# Altium PCB WX0.012.307PCB-4.2.PcbDoc (part 1 of 2) (continued)
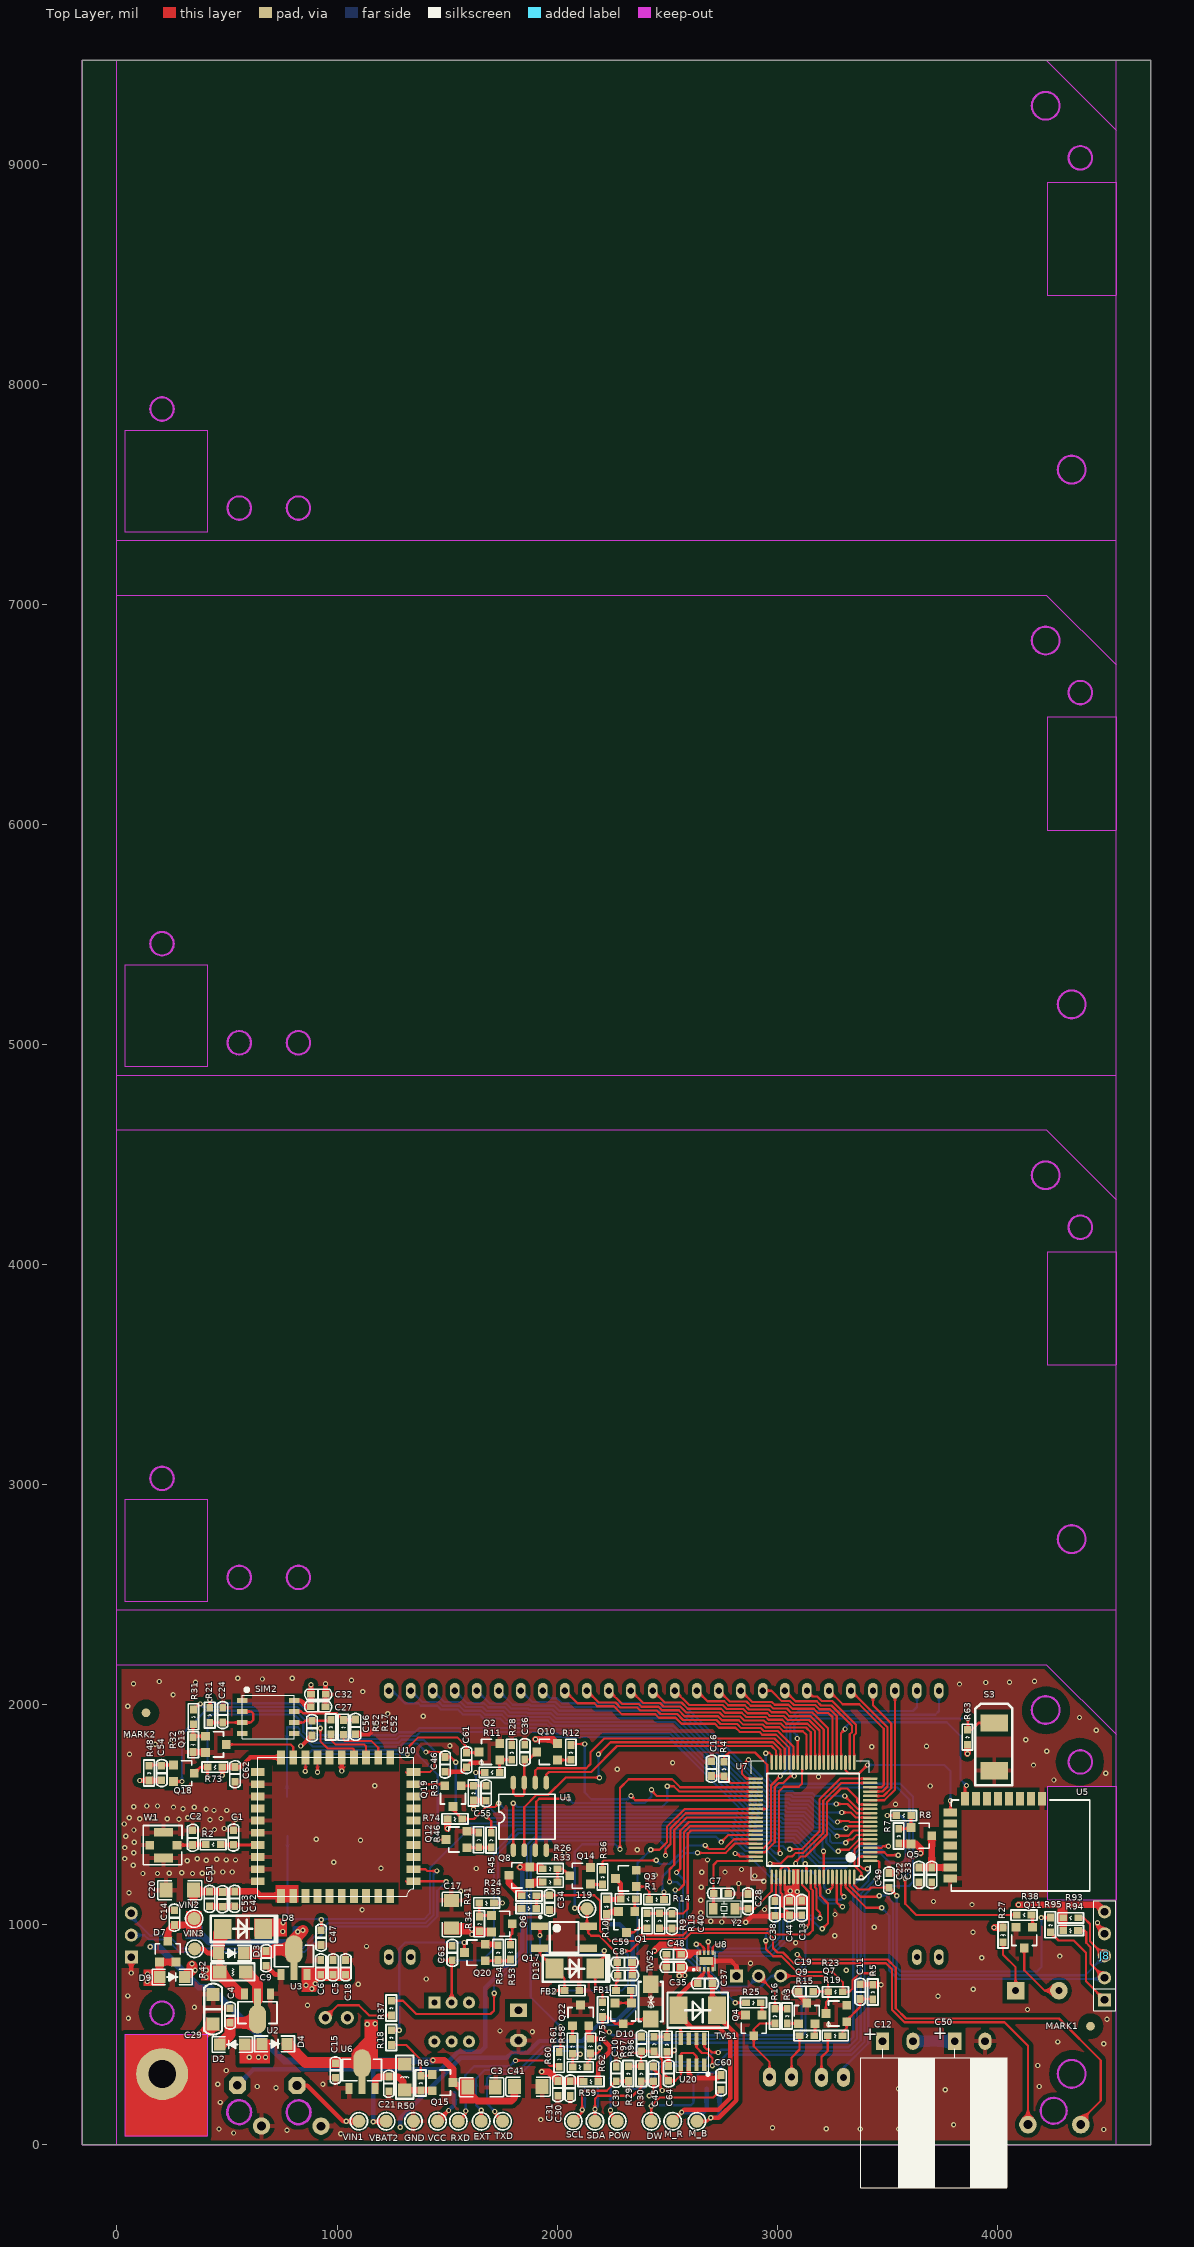
[diagram p0: Top Layer view]
## Components (designator, comment, footprint, x,y, rotation, side; value= is the part's Value field where it differs from the comment) (continued)
POW "TEST-PAD" TEST-PAD 2273.62,106.3 r90 top locked
Q1 "PNPS-9012" SOT-23 2316,1012 r180 top
Q2 "NPNS-9013" SOT-23 1692,1785 r90 top
Q3 "NPNS-9013" SOT-23 2313,1210 r90 top
Q4 "PNPS-9012" SOT-23 2894,542 r180 top
Q5 "UT3401ZG" SOT-23 3656,1404 r270 top
Q6 "PNPS-9012" SOT-23 1749,1004 r270 top
Q7 "NPNS-9013" SOT-23 3269,596 r90 top
Q8 "PNPS-9012" SOT-23 1829,1224 r90 top
Q9 "PNPS-9012" SOT-23 3135,597 r0 top
Q10 "PNPS-9012" SOT-23 1955,1785 r90 top
Q11 "NPNS-9013" SOT-23 4123,940.74 r180 top
Q12 "NPNS-9013" SOT-23 1543,1387 r90 top
Q13 "NPNS-9013" SOT-23 449,1819 r270 top
Q14 "NPNS-9013" SOT-23 2105,1222 r90 top
Q15 "UT3401ZG" SOT-23 1480,282 r270 top
Q17 "EL357N" EL357D 2032,942 r0 top
Q18 "NPNS-9013" SOT-23 304,1688 r270 top
Q19 "NPNS-9013" SOT-23 1527,1584 r180 top
Q20 "NPNS-9013" SOT-23 1626,873 r90 top
Q22 "PNPS-9012" SOT-23 2107,588 r0 top
R1 "10K 5%" RES0603 2290,1117 r0 top
R2 "0R 5%" RES0603 404,1364 r0 top
R3 "3K 5%" RES0603 3046,618 r270 top
R4 "1K 5%" RES0603 2759,1740.63 r270 top
R5 "47K 5%" RES0603 3435,727 r270 top
R6 "2M 5%" RES0603 1381,313 r270 top
R7 "2M 5%" RES0603 3553,1436 r270 top
R8 "200K 5%" RES0603 3542,1496 r0 top
R9 "330K 5%" RES0603 2409,984 r90 top
R10 "10K 5%" RES0603 2225,1115 r270 top
R11 "3K 5%" RES0603 1672,1692 r0 top
R12 "3K 5%" RES0603 2063,1816 r270 top
R13 "220K 5%" RES0603 2466,1051 r270 top
R14 "3K 5%" RES0603 2486,1114 r180 top
R15 "100R 5%" RES0603 3169,495 r180 top
R16 "20K 5%" RES0603 2990,618 r270 top
R17 "22R 5%" RES0603 1029,1930 r270 top
R18 "200K 5%" RES0603 1247,520 r270 top
R19 "20K 5%" RES0603 3297,495 r180 top
R21 "22R 5%" RES0603 422,1985 r270 top
R23 "20K 5%" RES0603 3232,695 r0 top
R24 "330K 5%" RES0603 1840,1131 r0 top
R25 "10K 5%" RES0603 2926,645 r180 top
R26 "10K 5%" RES0603 2002,1254 r180 top
R27 "51R 5%" RES0603 4027,920 r90 top
R28 "1K 5%" RES0603 1794,1816 r270 top
R29 "5.1K 5%" RES0603 2324,356.74 r270 top
R30 "5.1K 5%" RES0603 2383,355.74 r270 top
R31 "3K 5%" RES0603 348,1978 r270 top
R32 "1K 5%" RES0603 346,1784 r90 top
R33 "10K 5%" RES0603 2002,1193 r180 top
R34 "20K 5%" RES0603 1647,1037 r270 top
R35 "220K 5%" RES0603 1905,1073 r180 top
R36 "3K 5%" RES0603 2207,1249 r270 top
R37 "1K 5%" RES0603 1247,654 r270 top
R38 "3K 5%" RES0603 4089,1044 r0 top
R41 "3K 5%" RES0603 1713,1098 r180 top
R42 "0R 5%" RES1206 585,785 r180 top
R45 "3K 5%" RES0603 1701,1417 r270 top
R46 "1K 5%" RES0603 1644,1419 r270 top
R48 "4.7K 5%" RES0603 146,1722 r270 top
R50 "0R 5%" RES1206 1308,366 r270 top
R51 "4.7K 5%" RES0603 1620,1631 r270 top
R52 "22R 5%" RES0603 972,1931 r270 top
R53 "20K 5%" RES0603 1788,841 r90 top
R54 "47K 5%" RES0603 1732,906 r270 top
R58 "1K 5%" RES0603 2152,414 r90 top
R59 "10K 1%" RES0603 2187,287 r180 top
R60 "1K 5%" RES0603 2010,421 r270 top
R61 "10K 1%" RES0603 2070,480 r270 top
R62 "1K 5%" RES0603 2138,353 r180 top
R63 "1M 5%" RES0603 3865,1885 r270 top
R73 "4.7K 5%" RES0603 412,1716 r0 top
R74 "4.7K 5%" RES0603 1569,1480 r180 top
R75 "3K 5%" RES0603 2207,580 r90 top
R93 "10K 1%" RES0603 4301,1031 r0 top
R94 "10K 1%" RES0603 4367,973 r180 top
R95 "100R 5%" RES0603 4242,1032 r270 top
R96 "10K 5%" RES0603 2499,489 r270 top
R97 "10K 5%" RES0603 2441,490 r270 top
RXD "TEST-PAD" TEST-PAD 1551.18,106.3 r90 top
S1 "SWT_4_600_600_430" SW-KEY 688,1245 r90 bottom locked
S2 "SWT_4_600_600_430" SW-KEY 686,1739 r90 bottom locked
S3 "SWS_2_520_300_300" SWS_2_520_300 3987,1916 r90 top
SCL "TEST-PAD" TEST-PAD 2073.82,106.3 r90 top locked
SDA "TEST-PAD" TEST-PAD 2172.24,106.3 r90 top locked
SIM2 "SIM  IC" SIMIC 806,1845 r90 top
TVS1 "SMBJ6.0CA" DO-214AA 2547,611 r0 top
TVS2 "SMAJ5.0CA" SMAJ5.0CA 2425,650 r90 top
TXD "TEST-PAD" TEST-PAD 1752.95,106.3 r90 top locked
U1 "GD25VQ80CSIG" SOP-8L-200MIL 1801,1338 r90 top
U2 "CE6232A50P" SOT-89 639,649 r180 top
U3 "CE6232A33P" SOT-89 804,808 r0 top
U5 "DB809" DB809 3853.89,1572 r270 top
U6 "CE6232A33P" SOT-89 1114,290 r0 top
U7 "FM33LG0x8" LQFP80 3163,1476.63 r180 top locked
U8 "DRV8837DSGR" S-PWSON-N8 2677.98,835.23 r90 top
U10 "1816封装兼容" N700-FIXTURE_DL_CFT_CQA 1348.43,1130 r90 top locked
U20 "HP303B" LGA_8 2543,330 r90 top
VBAT2 "TEST-PAD" TEST-PAD 1223.42,106.3 r180 top locked
VCC "TEST-PAD" TEST-PAD 1457,106.3 r90 top
VIN1 "TEST-PAD" TEST-PAD 1099.41,106.3 r180 top locked
VIN2 "TEST-PAD" TEST-PAD 351,1027 r180 top
VIN3 "TEST-PAD" TEST-PAD 353,890 r180 top
W1 "天线" ANT-IPEX_1 273,1361 r180 top locked
Y2 "XTALSG12MD_32.768kD" SMD-3215_2P 2809,1072.63 r180 top

## Footprints (in the part's own frame and the unit in brackets; to place one, negate y for a bottom-side part, rotate by r counter-clockwise, add the part's x,y. Pads: shape width x height; smd on the part's side, far side on the other; paste and mask are expansions set on the pad)
ANT-IPEX_1 [mm]
  rect 1.05x1 smd: 1(0,0)
  rect 2.2x1 smd: 2(1.55,1.475) 2(1.55,-1.475)
  rect 1x1 smd: 2(3.151,0)
  silkscreen extent -0.56,-2.26 3.9,2.26
"Bar Code1" [mil]
  silkscreen extent 0,0 965,256
BATFOOT [mm]
  oct 2x2 hole 1: 1(2.349,-1.387)
  round 2 hole 1: 2(-2.349,1.387)
  Keep-Out Layer circle w0.254: c-0.745,-1.188 r1.395
  silkscreen extent -3.7,-2.84 3.8,2.96
"C-SUP-4P-H - L" [mm]
  rect 1.524x2 hole 0.9: 1(-1.75,-0.22)
  oval 1.524x2 hole 0.9: 2(1.75,-0.22)
  silkscreen extent -4.25,-17.13 4.31,-1.11, body extent -3.97,-17.15 4.03,0.35, height 8
CAP0603 [mil]
  rect 35x31 smd: 1(-0.49,0) 2(66.51,0)
  silkscreen extent -29,-24 94,23, body extent 1,-15 72,15, height 20
CAP1206 [mil]
  rect 60x60 smd: 1(0,0) 2(134.8,0)
  silkscreen extent -48,-40 184,40, body extent -15,-29 163,29, height 20
CAPPC_500_800_2000R [mm]
  rect 1.524x2 hole 0.9: 1(-1.75,0)
  oval 1.524x2 hole 0.9: 2(1.75,0)
  silkscreen extent -4,-21.78 4,-0.76, body extent -3.97,-21.82 4.03,0.35, height 8
DB809 [mm]
  rect 1.6x0.9 smd: 1(0,8.89) 2(0,7.62) 3(0,6.35) 4(0,5.08) 5(0,3.81) 6(0,2.54) 7(0,1.27) 8(0,0)
  rect 0.9x1.6 smd: 9(1.59,-1.7) 10(2.86,-1.7) 11(4.13,-1.7) 12(5.4,-1.7) 13(6.67,-1.7) 14(7.94,-1.7) 15(9.21,-1.7)
  silkscreen extent 0.15,-1.6 10.65,14.4
DO-214AA [mil]
  rect 80x125 smd: 1(5,0) 2(180,0)
  silkscreen extent -45,-80 230,80, body extent -13,-77 203,77, height 96
DO-214AC [mil]
  rect 80x90.55 smd: 1(-92.5,0) 2(92.5,0)
  silkscreen extent -146,-60 156,60, body extent -91,-53 90,53, height 94
EL357D [mil]
  rect 80x35 smd: 1(-110,50) 2(-110,-50) 3(110,-50) 4(110,50)
  silkscreen extent -113,-70 65,97, body extent -70,-75 70,75, height 79
GRM31CR60J107ME39L [mm]
  rect 1.485x1.728 smd: 1(0,0) 2(3.185,0)
  silkscreen extent -0.97,-1.09 4.16,1.09
HYT-0903 [mil]
  rect 80x80 hole 32: 1(0,0)
  round 80 hole 32: 2(196.85,0)
  silkscreen extent -79,-177 276,177, body extent -78,-176 276,176, height 217
IND0603 [mil]
  rect 35x31 smd: 1(0,0) 2(67,0)
  silkscreen extent -26,-24 92,23, body extent 0,-15 71,15, height 12
IR_254_1000_500 [mil]
  oval 60x86.61 hole 32: 1(50,0) 2(-50,0)
  silkscreen extent -103,-118 118,118
"KFT DIP-5.8X5.8" [mm]
  rect 1.4x1.4 hole 0.7: 1(-2.25,2)
  round 1.4 hole 0.7: 2(-2.25,0) 3(-2.25,-2) 4(2.25,-2) 5(2.25,0) 6(2.25,2)
  silkscreen extent -3.09,-2.93 3.11,3.55
LED3 [mil]
  round 60 hole 32.01: 1(50,0) 2(-50,0)
  silkscreen extent -75,-87 86,87, body extent -61,-79 76,78, height 205
LGA_8 [mm]
  rect 1.8x0.5 smd: 1(1.039,-0.504)
  rect 1.4x0.5 smd: 2(0.839,-1.404) 3(0.839,-2.304) 4(0.839,-3.204) 5(3.839,-3.204) 6(3.839,-2.304) 7(3.839,-1.404) 8(3.839,-0.504)
  silkscreen extent -0.4,-3.78 4.72,0.05
LQFP80 [mm]
  oval 1.7x0.3 smd: 1(-6.6,4.75) 2(-6.6,4.25) 3(-6.6,3.75) 4(-6.6,3.25) 5(-6.6,2.75) 6(-6.6,2.25) 7(-6.6,1.75) 8(-6.6,1.25) 9(-6.6,0.75) 10(-6.6,0.25) 11(-6.6,-0.25) 12(-6.6,-0.75) 13(-6.6,-1.25) 14(-6.6,-1.75) 15(-6.6,-2.25) 16(-6.6,-2.75) 17(-6.6,-3.25) 18(-6.6,-3.75) 19(-6.6,-4.25) 20(-6.6,-4.75) 41(6.6,-4.75) 42(6.6,-4.25) 43(6.6,-3.75) 44(6.6,-3.25) 45(6.6,-2.75) 46(6.6,-2.25) 47(6.6,-1.75) 48(6.6,-1.25) 49(6.6,-0.75) 50(6.6,-0.25) 51(6.6,0.25) 52(6.6,0.75) 53(6.6,1.25) 54(6.6,1.75) 55(6.6,2.25) 56(6.6,2.75) 57(6.6,3.25) 58(6.6,3.75) 59(6.6,4.25) 60(6.6,4.75)
  oval 0.3x1.7 smd: 21(-4.75,-6.6) 22(-4.25,-6.6) 23(-3.75,-6.6) 24(-3.25,-6.6) 25(-2.75,-6.6) 26(-2.25,-6.6) 27(-1.75,-6.6) 28(-1.25,-6.6) 29(-0.75,-6.6) 30(-0.25,-6.6) 31(0.25,-6.6) 32(0.75,-6.6) 33(1.25,-6.6) 34(1.75,-6.6) 35(2.25,-6.6) 36(2.75,-6.6) 37(3.25,-6.6) 38(3.75,-6.6) 39(4.25,-6.6) 40(4.75,-6.6) 61(4.75,6.6) 62(4.25,6.6) 63(3.75,6.6) 64(3.25,6.6) 65(2.75,6.6) 66(2.25,6.6) 67(1.75,6.6) 68(1.25,6.6) 69(0.75,6.6) 70(0.25,6.6) 71(-0.25,6.6) 72(-0.75,6.6) 73(-1.25,6.6) 74(-1.75,6.6) 75(-2.25,6.6) 76(-2.75,6.6) 77(-3.25,6.6) 78(-3.75,6.6) 79(-4.25,6.6) 80(-4.75,6.6)
  silkscreen extent -6.62,-6.81 7.1,6.91, body extent -5.33,-5.33 5.36,5.33, height 2
MARK [mm]
  round 1 smd: 0(0,0)
  round 1 smd far side: 1(0,0)
  Top Layer pour cut-out: -1.5,0 -1.386,-0.574 -1.061,-1.061 -0.574,-1.386 0,-1.5 0,-1.5 0.574,-1.386 1.061,-1.061 1.386,-0.574 1.5,0 1.5,0 1.386,0.574 1.061,1.061 0.574,1.386 0,1.5 0,1.5 -0.574,1.386 -1.061,1.061 -1.386,0.574 -1.5,0
  Bottom Layer pour cut-out: -1.5,0 -1.386,-0.574 -1.061,-1.061 -0.574,-1.386 0,-1.5 0,-1.5 0.574,-1.386 1.061,-1.061 1.386,-0.574 1.5,0 1.5,0 1.386,0.574 1.061,1.061 0.574,1.386 0,1.5 0,1.5 -0.574,1.386 -1.061,1.061 -1.386,0.574 -1.5,0
N700-FIXTURE_DL_CFT_CQA [mm]
  rect 0.9x1.6 smd mask+0.05: 1(1.7,0) 2(3.1,0) 3(4.5,0) 4(5.9,0) 5(7.3,0) 6(8.7,0) 7(10.1,0) 8(11.5,0) 9(12.9,0) 10(14.3,0) 21(14.3,18) 22(12.9,18) 23(11.5,18) 24(10.1,18) 25(8.7,18) 26(7.3,18) 27(5.9,18) 28(4.5,18) 29(3.1,18) 30(1.7,18)
  rect 1.6x0.9 smd mask+0.05: 11(16,2.7) 12(16,4.1) 13(16,5.5) 14(16,6.9) 15(16,8.3) 16(16,9.7) 17(16,11.1) 18(16,12.5) 19(16,13.9) 20(16,15.3) 31(0,15.3) 32(0,13.9) 33(0,12.5) 34(0,11.1) 35(0,9.7) 36(0,8.3) 37(0,6.9) 38(0,5.5) 39(0,4.1) 40(0,2.7)
  silkscreen extent 0,0 16,18
PCBComponent_1 [mm]
  oval 1.1x1.8 hole 0.732: 1(31.75,15.375) 2(29.21,15.375) 3(26.67,15.375) 4(24.13,15.375) 5(21.59,15.375) 6(19.05,15.375) 7(16.51,15.375) 8(13.97,15.375) 9(11.43,15.375) 10(8.89,15.375) 11(6.35,15.375) 12(3.81,15.375) 13(1.27,15.375) 14(-1.27,15.375) 15(-3.81,15.375) 16(-6.35,15.375) 17(-8.89,15.375) 18(-11.43,15.375) 19(-13.97,15.375) 20(-16.51,15.375) 21(-19.05,15.375) 22(-21.59,15.375) 23(-24.13,15.375) 24(-26.67,15.375) 25(-29.21,15.375) 26(-31.75,15.375) 27(-31.75,-15.375) 28(-29.21,-15.375) 29(29.21,-15.375) 30(31.75,-15.375)
  silkscreen extent -36.2,-15.42 36.16,15.4, body extent -36.21,-15.8 36.18,15.83, height 3.3
PIN254_1*3*WXHJ [mm]
  rect 1.5x1.5 hole 0.9: 1(0,0)
  round 1.5 hole 0.9: 2(2.54,0) 3(5.08,0)
  silkscreen extent -1.27,-1.27 6.35,1.27
PIN254_1*5SR [mil]
  rect 60x60 hole 35: 1(0,0)
  round 60 hole 35: 2(100,0) 3(200,0) 4(300,0) 5(400,0)
  silkscreen extent -50,-50 450,50
RES0603 [mil]
  rect 35x31 smd: 1(0,0) 2(67,0)
  silkscreen extent -26,-24 92,23, body extent 0,-15 71,15, height 12
RES1206 [mil]
  rect 60x60 smd: 1(0,0) 2(118.11,0)
  silkscreen extent -39,-39 157,39, body extent -28,-29 150,29, height 20
S-PWSON-N8 [mm]
  rect 0.5x0.28 smd: 1(-0.95,0.75) 2(-0.95,0.25) 3(-0.95,-0.25) 4(-0.95,-0.75) 5(0.95,-0.75) 6(0.95,-0.25) 7(0.95,0.25) 8(0.95,0.75)
  rect 0.9x1.6 smd: 9(0,0)
  silkscreen extent -1.09,-1.05 1.04,1.52, body extent -0.98,-1 1.02,1, height 0.77
SIMIC [mm]
  rect 0.6x1.2 smd: 1(4.405,6) 2(3.135,6) 3(1.865,6) 4(0.595,6) 5(0.595,0) 6(1.865,0) 7(3.135,0) 8(4.405,0)
  silkscreen extent 0,0 5.73,6, body extent 0,0 4.95,5.97, height 0.6
SMAJ5.0CA [mm]
  rect 2x1.8 smd: 1(-2,0) 2(2,0)
  silkscreen extent -2.3,-1.4 2.3,1.4
SMD-3215_2P [mm]
  rect 1x1.3 smd: 1(0,0) 2(2.5,0)
  silkscreen extent -0.69,-0.91 3.19,0.91, body extent -0.3,-0.99 2.9,0.99, height 0.7
SMT-1.5-4 [mm]
  oval 0.8x2.5 smd: 1(-2.25,0) 2(-0.75,0) 3(0.75,0) 4(2.25,0)
  rect 1.5x3 smd: 5(-4.198,-3.95) 6(4.075,-3.95)
  silkscreen extent -5.92,-5.6 5.77,1.62
SMT-1.25-5 [mm]
  oval 0.8x1.8 smd: 1(-2.5,1.6) 2(-1.25,1.6) 3(0,1.6) 4(1.25,1.6) 5(2.5,1.6)
  rect 2.1x3 smd: 6(-5.05,-1.6) 7(5.05,-1.6)
  silkscreen extent -6.42,-3.42 6.4,2.7, body extent -5.07,-3.55 5.08,1.65, height 3.5
SOD-123FL [mm]
  rect 1.3x1.4 smd: 1(0.074,0) 2(2.974,0)
  silkscreen extent -0.78,-0.9 3.82,0.9, body extent -0.28,-0.82 3.32,0.82, height 0.95
SOP-8L-200MIL [mm]
  oval 1.6x0.61 smd: 1(0,0) 2(0,-1.27) 3(0,-2.54) 4(0,-3.81) 5(7.8,-3.81) 6(7.8,-2.54) 7(7.8,-1.27) 8(7.8,0)
  silkscreen extent 1.27,-4.83 6.48,1.68, body extent 0.89,-4.35 6.89,0.55, height 1.7
SOT-23 [mil]
  rect 40x40 smd: 1(-37.4,-47.24) 2(37.4,-47.24) 3(0,47.24)
  silkscreen extent -57,-12 57,35, body extent -57,-55 57,55, height 47
SOT-89 [mm]
  rect 0.8x1.27 smd: 1(-1.5,-0.9) 3(1.5,-0.9)
  oval 2x3.3 smd: 2(0,2)
  rect 0.8x2.54 smd: 2(0,-0.265)
  silkscreen extent -2.25,0 2.25,2.5, body extent -2.25,-1.02 2.25,2.92, height 1.4
SW-KEY [mm]
  rect 2x1.2 smd: 1(-4,2.2) 1(4,2.2) 2(-4,-2.2) 2(4,-2.2)
  silkscreen extent -3,-3 3,3, body extent -4.97,-3.05 5.03,2.95, height 5.1
SWS_2_520_300 [mm]
  rect 2x3.2 smd: 1(0,0) 2(-5.5,0)
  silkscreen extent -7.2,-2.08 2.25,2.2
TEST-PAD [mm]
  round 1.5 smd: 1(0,0)
  silkscreen extent -1,-1 1,1
WXHJ_Connect_01 [mil]
  round 80 hole 40: 1(0,240) 2(0,0)
  Keep-Out Layer circle w10: c62.91,116.99 r59.05
  silkscreen extent -55,-57 64,295

## Part data
119 DW EXT GND M_B M_R POW RXD SCL SDA TXD VBAT2 VCC VIN1 VIN2 VIN3: library part AD_WXHJ_TEST-PAD_01, "单面焊盘测试点"
*: library part "AD_WXHJ_Bar Code_02", "条形码 ,填充，无需焊接器件"
B1: library part 1010602-0007, "直插,直径9mm,高5.5mm,5 V,2 V,30 mA,兴化市华宇电子有限公司,HYT-0903"
BT1 BT2: library part BATTERY_1, "Battery"
C1 C2: library part 101020103-0005
C3 C17 C41: library part 101020101-0005, "100u,16 V,±10%,1206,国巨,CC1206KRNPO7BN106P"
C4 C5 C8 C10 C13 C14 C15 C21 C31 C32 C35 C36 C37 C38 C44 C46 C47 C48 C51 C60 C63 C64: library part 101020103-0021, "104pF,50 V,±10%,0603,国巨,CC0603KRX7R9BB104"
C6 C9 C22 C30: library part 101020103-0026, "106pF,10 V,±10%,0603,村田,GRM188R61A106KE47D"
C7 C28: library part 101020103-0005, "12P,50 V,±5%,0603,国巨,CC0603JRNPO9BN12"
C11 C34 C40 C42: library part 101020103-0014, "10pF,50 V,±5%,0603,X7R,国巨,CC0603JRNPO9BN100"
C12 C50: library part 1010202-0015, "1F,2.75 V,-20%~+20%,8mm*16mm,红宝石,2.7 DMC 1 M MY4 8X16"
C16 C24 C27 C39 C45 C49 C52 C53 C56 C61: library part 101020103-0027, "33pF,50 V,±10%,0603,国巨,CC0603KRNPO9BN33"
C18: library part 101020103-0009, "22pF,50 V,±5%,0603,国巨,CC0603JRNPO9BN22"
C19: library part 101020103-0010, "101pf,50 V,±5%,0603,国巨,CC0603JRNP09BN101"
C20: library part 101020101-0005
C23: library part 1010203-0029, "1000UF,16V,±20%,贴片10*10.2MM,深圳市三炎科电子科技有限公司,16V1000UF"
C29: library part 101020103-0021, "103P/1KV,±10％,1206"
C33 C62: library part 101020103-0003, "105pF,16 V,±10%,0603,国巨,CC0603KRX7R7BB105"
C54 C55: library part 101020103-0022, "102pF,50 V,±10%,0603,国巨,CC0603KRX7R9BB102"
C59: library part 101020103-0007, "10nF,50 V,±10%,0603,X7R,国巨,CC0603KRX7R9BB103"
D1: library part 101040102-0001, "圆形插件,3mm 圆形,插件,红光,湖北匡通电子有限公司,3BB4HC"
D2: library part 101040101-0048, "DS36W,SOD123-FL,3 A,42 V,60 V,浙江领晨科技有限公司,DS36W"
D3: library part 101040101-0048, "DS12W,SOD-123FL,1 A,0.55 V,20 V,领晨科技,DS12W"
D4 D9: library part 101040101-0055, "DS36W,SOD123-FL,3 A,42 V,60 V,浙江领晨科技有限公司,DS36W"
D5: library part 101040101-0034, "直插,Φ5.8mm圆头透明色，,0.1 A,4 V,5 V,上海品观电子有限公司,AT205B"
D6: library part 101040101-0035, "Φ5.8mm圆头黑色，光电接收管,Φ5.8mm,0.01 A,1.2 V,60 V,上海品观电子,AT405-PD-01"
D7 D10: library part 101040101-0038, "BAT54CLT1，SOT23-3,SOT23-3,0.2 A,0.8 V,30 V,安森美,BAT54CLT1"
D8: library part 101040101-0009, "SS12,DO-214AC,1 A,0.55 V,20 V,昶鑫,SS12"
D13: library part 101040101-0008, "M7A,DO-214AC,1 A,1.1 V,1000 V,杭州闽达电子有限公司,M7A"
FB1 FB2: library part 109010101-0003, "chilisin(奇力新),0603,30Ω ±25% @100MHz,150 V,125 ℃,PBY160808T-300Y-N,-55 ℃,不含铅,,,圆盘,30Ω ±25% @100MHz"
J3: library part 1010902-0126, "4针1.5mm间距，贴片卧式,9.0mm*6.5mm,公头,单排,4针1.5mm间距，贴片卧式"
J6: "Header, 4-Pin"
J8: "Header, 5-Pin"
J9 P6: library part AD_WXHJ_PinHeader_04, "1*3 ，Φ1.0 ，2.54mm，直脚,无需焊接器件"
K1: library part 1011001-0037, "7*7无锁按键,点触,7*7*12.5mm,7*7无锁按键,正立"
MARK1 MARK2: library part AD_WXHJ_MARK_01, "MARK点"
P5: library part AD_WXHJ_Connect_01, "电源连接线"
Q1 Q4 Q6 Q8 Q9 Q10 Q22: library part 101040201-0001, "9012,PNP,SOT-23,JCET;长电,S9012"
Q2 Q3 Q7 Q11 Q12 Q13 Q14 Q18 Q19 Q20: library part 101040201-0002, "9013,NPN,SOT-23,长电,S9013"
Q5 Q15: library part 101040201-0013, "UT3401ZG,P-MOS,SOT-23,UTC,UT3401ZG"
Q17: library part 1010502-0045, "SOP4,贴片,ELERLIGHT,EL357N(D)(TA)-G"
R1 R10 R25 R26 R33: library part 101010103-0003, "国巨,±5%,0603,,155 ℃,-55 ℃,RC0603JR-0710KL,无铅,200 ppm/℃,1/10W,,10K"
R2: library part 101010103-0001, "国巨,±5%,0603,,155 ℃,-55 ℃,RC0603J2-070RL,无铅,200 ppm/℃,1/10W,,0R"
R3 R11 R12 R14 R31 R36 R38 R41 R45 R75: library part 101010103-0006, "国巨,±5%,0603,,155 ℃,-55 ℃,RC0603JR-073KL,无铅,100 ppm/℃,1/10W,,3K"
R4 R28 R32 R37 R46 R58 R60 R62: library part 101010103-0008, "1K,±5%,1/10W,0603,国巨,RC0603JR-071KL"
R5 R54: library part 101010103-0012, "47K,±5%,1/10W,0603,国巨,RC0603JR-0747KL"
R6 R7: library part 101010103-0025, "国巨,±5%,0603,,155 ℃,-55 ℃,RC0603JR-072ML,含铅,100 ppm/℃,1/10W,,2M"
R8: library part 101010103-0003, "10K±5%,1/10W,0603"
R9 R24: library part 101010103-0066, "330K,±5%,1/10W,0603,国巨,RC0603JR-07330KL"
R13 R35: library part 101010103-0044, "220K,±5%,1/10W,0603,国巨,RC0603JR-07220KL"
R15 R95: library part 101010103-0022, "100R,±5%,1/10W,0603,国巨,RC0603JR-07100RL"
R16 R19 R23 R34 R53: library part 101010103-0004, "国巨,±5%,0603,,155 ℃,-55 ℃,RC0603JR-0720KL,无铅,200 ppm/℃,1/10W,,20K"
R17 R21 R52: library part 101010103-0009, "国巨,±5%,0603,,155 ℃,-55 ℃,RC0603JR-0722RL,无铅,200 ppm/℃,1/10W,,22欧"
R18: library part 101010103-0034, "200K,±5%,1/10W,0603,国巨,RC0603JR-07200KL"
R27: library part 101010103-0037, "国巨,±5%,0603,,155 ℃,-55 ℃,RC0603JR-0751RL,无铅,100 ppm/℃,1/10W,,51欧"
R29 R30: library part 101010103-0015, "国巨,±5%,0603,,155 ℃,55 ℃,RC0603JR-075.1KL,无铅,200 ppm/℃,1/10W,,5.1k"
R42 R50: library part 101010101-0013, "0Ω,±5%,1/4W,1206,国巨,RC1206JR-070RL"
R48 R51 R73 R74: library part 101010103-0042, "4.7K±5%,1/10W,0603"
R59 R61 R93 R94: library part 101010103-0052, "10K±1%,1/10W,0603"
R63 R96 R97: library part 101010103-0002, "国巨,±5%,0603,,155 ℃,-55 ℃,RC0603JR-071ML,无铅,200 ppm/℃,1/10W,,1M"
S1 S2: library part 1011001-0027, "TS-1102,机械轻触,6*6*4.3直插,6*6*4.3直插,乐清市羽欧电子"
S3: library part 1011001-0041, "CSX-SEN-645B,垂直45°开关转换,3*5.2mm,360°任意方位倾斜检测,深圳市成晟科技有限公司"
SIM2: library part SIMCARD_1
TVS1: library part 101040101-0024, "SMBJ6.0CA,DO-214AA,10.3 V,6.0 V,600 W,58.3 A,800 uA,上海君耀电子有限公司,SMBJ6.0CA"
TVS2: library part SMAJ5.0CA_C693487
U1: library part 101050101-0165, "GD25VQ80CSIG,SOP8 208mil,北京兆易创新科技股份有限公司,GD25VQ80CSIG"
U2: library part 1010503-0013, "S-1206B50-U3,S-1206B50-U3,SOT89-3,6.5 V,1.7 V,0.2 V,5 V,250mA@VIN≧VOUT(S)＋1.0 V﹐1.5 V≦VOUT(S),1 uA,精工电子"
U3 U6: library part 1010503-0002, "S-1206B33-U3T1G,S-1206B33-U3T1G,SOT89-3,6.5 V,1.7 V,0.15 V,3.3 V,250mA@VIN≧VOUT(S)＋1.0 V﹐1.5 V≦VOUT(S),1 uA,精工电子"
U5: library part 1011402-0194, "北高智蓝牙模块DB809"
U8: library part 101050101-0060, "DRV8837DSGR,S-PWSON-N8,TI,DRV8837DSGR"
U10: library part 1011402-0183, "N700-58-01,N700-58-01,通信模块,18.0mm*16.0mm*2.1mm,Band 5:850MHz/Band 8:900MHz,深圳市广和通无线股份有限公司"
W1: library part 1010902-0145, "UB06000058A,3*3.1*1.25mm,公头,单排,IPEX一代板端"
Y2: library part 1010601-0009, "SCX3215(SCX3213089);32.768kHz;精度20%;负载电容12.5pF,3215,32.768kHz,0.03 ppm/℃,无源,Q-SC32S03220C5AAAF,SCX3215"

## Free pads (board coordinates)
  round 236.22 hole 125.98: 0(205.59,320.94)

## Via types
v1: diameter 24, hole 12, Top Layer to Bottom Layer, tented both sides, 336 vias

## Nets (pads, with @x,y where several pads share a name; then routed paths per layer and width w, separated by ;. In a path a pad name is that pad's centre, name@x,y a point inside that pad or via, vN(x,y) a via of type N, cw(c..) or ccw(c..) an arc to the next point about the centre after c; other vN are vias at no path point)
3.6V: C9.1 C14.1 D3.2 D7.3 U3.2 VIN2.1 | length 1087.6
  Top Layer w30: D7.3@231,924.24 231,968.51 C14.1@261,998.51 322.51,998.51 VIN2.1@351,1027
  Top Layer w50: D3.2@576.09,870 699.51,870 716.25,886.74 U3.2@804,886.74 805,887.74 805,934 v1(845,974)
  Bottom Layer w30: v1(332,962) 378,962 421,919 801,919 845,963 v1(845,974)
  other v1: 369,962 821,967
5V: C12.1 C35.1 D3.1 D8.1 R42.2 U2.3 U8.1 VIN3.1 | length 429.5
  Top Layer w20: VIN3.1@353,890 393,890 413,870 D3.1@461.91,870 ; R42.2@466.89,785 466.89,840.11
  Top Layer w50: D3.1@461.91,870 461.91,962.41 D8.1@480.5,981 ; R42.2@466.89,785 466.89,776.11 558.57,684.43
  other v1: 405,761 2555,767 2581,769 406,793
119: 119.1 C8.1 C59.1 FB1.1 Q17.4 U7.43 | length 1922.5
  Top Layer w10: v1(2080,1075) 2133,1075 119.1@2136,1072 2136,998 Q17.4@2142,992 2142,962 2155,949 2191.25,949 2272,868.25 2272,829.51 C59.1@2273.51,828 2275.51,826 C8.1@2275.51,770 2275.51,742.51 2268,735 FB1.1@2268,701 ; v1(2286,1343) 2286,1621 2326,1661 2523,1661 2559.73,1624.27 U7.43@2903.16,1624.27
  Bottom Layer w10: v1(2080,1075) 2080,1331 2114,1365 2264,1365 v1(2286,1343)
BUZZ: R38.1 U7.41 | length 1976.5
  Top Layer w10: v1(2870,1750) 2841,1721 2841,1684 2861.36,1663.64 U7.41@2903.16,1663.64 ; v1(3582,1210) 3582,1095 3633,1044 R38.1@4089,1044
  Bottom Layer w10: v1(2870,1750) 2870,1729.67 2931,1668.67 2931,1667.96 2975.96,1623 3546.26,1623 3601,1568.26 3601,1241 3582,1222 v1(3582,1210)
CLOSE: U7.19 U8.5 | length 1403.2
  Top Layer w10: U8.5@2707.51,872.63 2707.51,896 2717.51,906 v1(2738,906) ; v1(2968,1278) 3016.12,1278 3047.75,1309.63 3067.7,1309.63 3069.07,1311 3070.25,1311 3085.25,1326 3119.33,1326 3210,1416.67 3210,1562.67 3291.28,1643.95 U7.19@3422.84,1643.95
  Bottom Layer w10: v1(2738,906) 2753,891 2843,891 ; 2843,892 2960.25,892 3011,942.75 3011,1198 2968,1241 v1(2968,1278)
COM0: LCD1.1 U7.6 | length 2509.6
  Top Layer w10: v1(3278.31,1333.26) 3285.31,1340.26 3325.38,1340.26 3373.17,1388.05 U7.6@3404,1388.05
  Bottom Layer w10: LCD1.1@1235.54,2063.18 1251.82,2063.18 1309.16,2005.84 1368.84,2005.84 1380.34,1994.34 1456.3,1994.34 1472.64,1978 1548.6,1978 1571.26,1955.34 1647.21,1955.34 1666.08,1936.48 1741.31,1936.48 1764.31,1913.48 1840.99,1913.48 1844.47,1910 1951.08,1910 1974.08,1887 2520.34,1887 2719,1688.34 2719,1687.45 2807.45,1599 2807.63,1599 2919.63,1487 3021,1487 3030,1478 3111.5,1478 3165.24,1424.26 3198.94,1424.26 3223.31,1399.88 3223.31,1373.28 3263.33,1333.26 v1(3278.31,1333.26)
COM1: LCD1.2 U7.7 | length 2410.2
  Top Layer w10: v1@3316.42,1372.26 v1(3312.13,1372.26) 3327.13,1387.26 3341.38,1387.26 3361.85,1407.73 U7.7@3422.84,1407.73
  Bottom Layer w10: LCD1.2@1335.54,2063.18 1387.38,2011.34 1463.34,2011.34 1479.68,1995 1555.64,1995 1578.3,1972.34 1654.26,1972.34 1673.12,1953.48 1748.35,1953.48 1771.35,1930.48 1848.03,1930.48 1851.51,1927 1958.12,1927 1981.12,1904 2527.38,1904 2736,1695.38 2736,1694.5 2814.5,1616 2814.67,1616 2926.67,1504 3028.05,1504 3037.05,1495 3118.55,1495 3172.29,1441.26 3205.98,1441.26 3240.31,1406.92 3240.31,1380.32 3250.38,1370.26 3310.13,1370.26 v1(3312.13,1372.26)
COM2: LCD1.3 U7.8 | length 2272.4
  Top Layer w10: v1(3272.31,1402.26) 3274.31,1404.26 3324.38,1404.26 3347.54,1427.42 U7.8@3422.84,1427.42
  Bottom Layer w10: LCD1.3@1435.54,2063.18 1486.72,2012 1562.68,2012 1585.34,1989.34 1661.3,1989.34 1680.16,1970.48 1755.4,1970.48 1778.4,1947.48 1855.08,1947.48 1858.55,1944 1965.17,1944 1988.17,1921 2534.42,1921 2753,1702.42 2753,1701.54 2821.54,1633 2822.42,1633 2829,1626.42 2829,1625.71 2933.71,1521 3035.09,1521 3044.09,1512 3125.59,1512 3179.33,1458.26 3213.02,1458.26 3269.02,1402.26 v1(3272.31,1402.26)
COM3: LCD1.4 U7.9 | length 2154.1
  Top Layer w10: v1(3313.13,1438.26) 3321.97,1447.1 U7.9@3422.84,1447.1
  Bottom Layer w10: LCD1.4@1535.54,2063.18 1592.38,2006.34 1668.34,2006.34 1687.2,1987.48 1762.44,1987.48 1785.44,1964.48 1862.12,1964.48 1865.6,1961 1972.21,1961 1995.21,1938 2541.46,1938 2770,1709.46 2770,1708.58 2828.58,1650 2829.46,1650 2846,1633.46 2846,1632.75 2940.75,1538 3042.13,1538 3051.13,1529 3132.63,1529 3186.37,1475.26 3220.06,1475.26 3261.06,1434.26 3309.13,1434.26 v1(3313.13,1438.26)
COM4: LCD1.5 U7.10 | length 2038.6
  Top Layer w10: v1(3274.31,1466.26) 3278.31,1470.26 3326.38,1470.26 3329.85,1466.79 U7.10@3422.84,1466.79
  Bottom Layer w10: LCD1.5@1635.54,2063.18 1694.24,2004.48 1769.48,2004.48 1791.96,1982 1868.64,1982 1872.64,1978 1979.25,1978 2002.25,1955 2548.51,1955 2787,1716.51 2787,1715.62 2835.62,1667 2836.51,1667 2863,1640.51 2863,1639.79 2947.79,1555 3049.17,1555 3058.17,1546 3139.67,1546 3193.41,1492.26 3231.62,1492.26 3257.62,1466.26 v1(3274.31,1466.26)
COM5: LCD1.6 U7.11 | length 1926.8
  Top Layer w10: v1(3294.31,1509.26) 3334.84,1509.26 3357.62,1486.47 U7.11@3422.84,1486.47
  Bottom Layer w10: LCD1.6@1735.54,2062.46 1799,1999 1875.68,1999 1879.68,1995 1986.29,1995 2009.29,1972 2555.55,1972 2804,1723.55 2804,1722.66 2842.66,1684 2843.55,1684 2880,1647.55 2880,1646.83 2954.83,1572 3056.21,1572 3065.21,1563 3146.71,1563 3200.45,1509.26 v1(3294.31,1509.26)
COM6: LCD1.7 U7.12 | length 1819
  Top Layer w10: v1(3269.13,1548.26) 3319.88,1548.26 3361.98,1506.16 U7.12@3422.84,1506.16
  Bottom Layer w10: LCD1.7@1835.54,2063.18 1886.72,2012 1993.33,2012 2016.33,1989 2562.59,1989 2821,1730.59 2821,1729.7 2849.7,1701 2850.59,1701 2897,1654.59 2897,1653.88 2961.88,1589 3063.25,1589 3072.25,1580 3153.75,1580 3185.49,1548.26 v1(3269.13,1548.26)
COM7: LCD1.8 U7.13 | length 1710.8
  Top Layer w10: v1(3307.92,1584.26) 3366.34,1525.84 U7.13@3422.84,1525.84
  Bottom Layer w10: LCD1.8@1935.54,2063.18 1969.72,2029 2000.37,2029 2023.37,2006 2569.63,2006 2838,1737.63 2838,1736.75 2856.75,1718 2857.63,1718 2914,1661.63 2914,1660.92 2968.92,1606 3070.3,1606 3079.3,1597 3160.8,1597 3173.54,1584.26 v1(3307.92,1584.26)
CSB_IRDA_EN: R25.2 U7.52 | length 1312.3
  Top Layer w10: v1(2536.61,1157.39) 2552.39,1157.39 2577,1182 2577,1419.96 2604.14,1447.1 U7.52@2903.16,1447.1 ; v1(2810,645) R25.2@2859,645
  Bottom Layer w10: v1(2536.61,1157.39) 2536.61,1135.39 2556,1116 2556,878.92 2750.92,684 2771,684 v1(2810,645)
CSB_IRDA_RX: C19.1 J9.3 Q7.3 R23.1 U7.50 | length 1983.1
  Top Layer w10: v1(2511,1194) 2511,1250.25 2533,1272.25 2533,1430 2589.47,1486.47 U7.50@2903.16,1486.47 ; J9.3@3016,767 3208,767 3232,743 R23.1@3232,695 3232,657 3221.76,646.76 Q7.3@3221.76,596 ; C19.1@3164.49,696 R23.1@3231,696
  Bottom Layer w10: v1(2511,1194) 2545.25,1194 2573,1166.25 2573,885.96 2757.96,701 2908.73,701 2974.73,767 J9.3@3016,767
CSB_IRDA_TX: J9.2 R3.1 R16.1 U7.51 | length 1574.6
  Top Layer w10: v1(2543,1237) 2560,1254 2560,1427 2599.79,1466.79 U7.51@2903.16,1466.79 ; J9.2@2916,767 2990,693 R16.1@2990,618 R3.1@3046,618
  Bottom Layer w10: v1(2543,1237) 2591,1189 2591,892 2765,718 2867,718 J9.2@2916,767
DW_CHEAK: C60.1 DW.1 J6.3 U7.40 | length 3759.7
  Top Layer w10: DW.1@2428,106.3 v1(2428,176) 2466,214 2709.49,214 C60.1@2745,249.51 ; v1@2948,1780.63 2942.74,1780.63 2944.37,1779 v1(2948,1779) v1@2949.63,1779 ; v1@2949.63,1780.63 2965,1780.63 2975.99,1769.64 U7.40@2975.99,1736.47
  Bottom Layer w10: v1(2428,176) 2430.71,178.71 2608.71,178.71 2620.47,190.47 J6.3@2620.47,255 ; J6.3@2620.47,255 2620.47,300.47 2647,327 2719.25,327 2801.25,409 3338.12,409 3397,467.88 3397,1133.55 3439.08,1175.63 3599,1175.63 3618,1194.63 3618,1581 3559,1640 2983,1640 2948,1675 v1(2948,1779)
EARTH: C29.1 pad.0 | length 319.9
  Top Layer w50: pad.0@212.94,320.94 437,545 C29.1@437,548
FLASH_CLK: U1.6 U7.37 | length 1362.5
  Top Layer w10: U1.6@1901,1645.09 1901,1700 1912,1711 2133,1711 2152,1730 2152,1783.25 2214.49,1845.74 2988.52,1845.74 3035.05,1799.22 U7.37@3035.05,1736.47
FLASH_CS: U1.1 U7.44 | length 1413.8
  Top Layer w10: U1.1@1801,1338 v1(1801,1552) ; v1(2501,1629) 2530.96,1629 2555.38,1604.58 U7.44@2903.16,1604.58
  Bottom Layer w10: v1(1801,1552) 1818,1535 2478,1535 2501,1558 v1(2501,1629)
FLASH_CTL: R12.1 U7.46 | length 1090.1
  Top Layer w10: R12.1@2063,1816 2068,1821 v1(2126,1821) ; v1(2336,1585) 2355.79,1565.21 U7.46@2903.16,1565.21
  Bottom Layer w10: v1(2126,1821) 2126,1600 2156,1570 2321,1570 v1(2336,1585)
FLASH_MISO: U1.2 U7.38 | length 1617
  Top Layer w10: U1.2@1851,1338 1851,1534 1906,1589 1959,1589 2038,1668 v1(2193,1668) ; v1(2188,1774) 2242.74,1828.74 2981.48,1828.74 3015.36,1794.86 U7.38@3015.36,1736.47
  Bottom Layer w10: v1@2188,1673 v1(2188,1774)
FLASH_MOSI: U1.5 U7.39 | length 1198.2
  Top Layer w10: U1.5@1951,1645.09 1951,1682 1963,1694 2155,1694 2272.74,1811.74 2974.44,1811.74 2995.68,1790.5 U7.39@2995.68,1736.47
FLASH_WP: U1.3 U7.45 | length 1281.7
  Top Layer w10: U1.3@1901,1338 1905,1342 1905,1558 1919,1572 v1(2052,1572) ; v1@2433,1605 2453.1,1584.9 U7.45@2903.16,1584.9
  Bottom Layer w10: v1(2052,1572) 2072,1552 2399,1552 2429,1582 v1(2429,1613)
GND: BT1.2 BT2.2 C1.2 C2.2 C3.2 C4.2 C5.2 C6.2 C7.1 C8.2 C9.2 C10.2 C11.2 C13.1 C14.2 C15.2 C16.2 C17.2 C18.2 C19.2 C20.2 C21.2 C22.2 C23.2 C24.1 C27.1 C28.1 C29.2 C30.2 C31.2 C32.2 C33.2 C34.1 C35.2 C36.2 C38.2 C39.1 C40.1 C41.2 C42.2 C44.1 C45.2 C46.1 C47.1 C48.1 C49.1 C50.2 C51.2 C52.1 C53.2 C56.1 C59.2 C60.2 C61.1 C62.2 C63.1 C64.2 FB2.1 GND.1 J3.4 J3.5 J3.6 J6.4 J6.5 J6.6 J8.4 J9.1 K1.1 P2.1 P2.6 P2.7 P6.1 Q2.2 Q3.2 Q7.2 Q9.3 Q11.2 Q12.2 Q13.2 Q14.2 Q17.3 Q20.2 Q22.3 R5.1 R13.2 R28.1 R32.1 R35.2 R46.1 R54.1 R96.2 S1.2 S2.2 S3.2 SIM2.1 TVS2.2 U1.4 U2.1 U3.1 U5.1 U5.15 U6.1 U7.63 U7.65 U8.4 U8.9 U10.22 U10.23 U10.25 U10.26 U10.28 U10.29 U10.30 U20.2 W1.2 | length 2716.1
  Top Layer w10: C45.2@2438.51,355.25 2438.51,343.45 2470,311.96 2470,254 v1(2478,246) ; R13.2@2467.49,982.51 C40.1@2522,982.51 2569.21,982.51 2602.33,1015.63 v1(2649,1015.63) ; U8.9@2688.79,835.23 2707.51,816.51 U8.4@2707.51,797.82 ; C38.2@2990,1040.49 C38.2@2991.65,1042.14 ; U7.65@3054.73,1216.79 3054.73,1254.27 3044.08,1264.92 3027.08,1264.92 3023.16,1261 3023,1261 3015.36,1253.36 U7.63@3015.36,1216.79 3015.36,1145.73 3023.05,1138.04 3023.05,1083 3056,1050.05 3056,1042.14 C44.1@3056,1041.14
  Top Layer w20: v1(65,780) P6.1@65,852 ; R32.1@346,1784 Q13.2@399.35,1784 ; C51.2@421,1083.49 C42.2@535,1083.49 ; C9.2@678,813.49 718.92,772.57 U3.1@744.94,772.57 ; v1(835,1812) 838.18,1812 C56.1@886,1859.82 ; C27.1@947.49,1990 947.49,2045.98 948,2046.49 v1(948,2095) ; C52.1@1084,1865.51 1145.51,1865.51 1176,1896 v1(1176,1900) ; C46.1@1491,1694.51 1568,1694.51 C61.1@1588,1714.51 1608.49,1735 v1(1655,1735) ; Q12.2@1590.24,1424.4 R46.1@1638.6,1424.4 ; Q20.2@1673.24,910.4 R54.1@1727.6,910.4 ; C8.2@2342.51,770 C59.2@2342.51,826 ; C45.2@2438.51,355.25 C45.2@2438.51,362.49 ; C35.2@2497,807.51 C48.1@2497,865.49 ; C64.2@2507,357.51 2507,386 2499,394 R96.2@2499,422 2525,422 v1@2532,429 ; U20.2@2598.28,363.03 2598.28,322.72 2619,302 2730.49,302 C60.2@2745,316.51 ; U8.9@2677.98,835.23 2688.79,835.23 2790.77,835.23 2816,810 J9.1@2816,767 ; v1(2858,1010.63) 2884.99,1037.62 2990,1037.62 C38.2@2990,1040.49 ; C38.2@2991.65,1042.14 3056,1042.14 C13.1@3112,1042.14 ; C19.2@3097.49,696 3097.49,681.75 Q9.3@3135,644.24 ; C11.2@3377,728.51 R5.1@3433.49,728.51 ; R5.1@3435,727 v1(3472,727) ; C49.1@3509,1234.12 v1(3541.8,1234.12) ; v1(4456,1008) 4456,997 4488,965 J8.4@4488,958
  other v1: 1017,50 530,53 773,65 4485,69 464,71 3378,71 3553,71 3224,72 2979,77 3802,90 3946,108 1926,114 469,192 3939,233 3764,249 3552,254 723,259 638,264 4191,264 936,274 458,275 497,337 4184,360 2287,401 2534,429 4484,458 4276,467 1888,513 1741,517 3234,545 4499,570 52,574 4138,614 352,625 866,633 3731,675 49,676 3033,690 3892,706 1096,729 1405,753 3314,792 2427,813 2879,824 3930,850 4284,857 1134,901 3084,917 3262,949 3890,965 3441,988 2749,1012 2699,1015 2809,1015 3263,1046 2653,1054.63 1114,1068 2943,1068.63 3886,1091 3711,1105 2653,1110.63 55,1145 2925,1149.63 1563,1151 2655,1169.63 2826,1186.63 2939,1197.63 2898,1220.63 2446,1225 118,1232 184,1232 343,1232 388,1233 238,1234 295,1236 435,1238 2658,1237.63 481,1239 524,1239 2763,1238.63 2838,1250.63 1633,1255 1200,1256 74,1270 985,1284 319,1290 406,1293 497,1294 539,1294 2684,1294 453,1297 365,1299 36,1300 2033,1326 76,1327 2364,1340 35,1350 79,1374 1107,1383 906,1388 40,1402 77,1430 398,1432 443,1432 487,1437 33,1457 423,1476 282,1479 540,1479 103,1481 228,1481 473,1482 163,1485 56,1486 321,1486 368,1487 441,1519 499,1519 405,1524 300,1527 351,1533 257,1534 76,1536 135,1539 184,1539 3538,1547 3696,1630 1172,1631 4258,1657 3188,1672 4493,1688 2274,1706 4165,1725 2525,1736 57,1774 4226,1788 3430,1808 3679,1810 1513,1813 174,1820 243,1825 4130,1840 51,1860 4451,1883 4374,1941 1392,1947 1230,1959 49,1992 255,2045 1117,2059 3829,2093 75,2094 3948,2100 4056,2101 357,2102 192,2105 4170,2106 1066,2110 661,2116 549,2119 797,2120
GPRS-RXD: Q18.3 R73.1 U10.10 | length 1709.8
  Top Layer w10: Q18.3@351.24,1688 379.24,1716 R73.1@412,1716 v1(412,1671) ; 1313,1692.99 1316.99,1689 U10.10@1317.99,1690 ; U10.10@1348.43,1692.99 1422,1692.99 1444,1714.99 v1(1444,1752)
  Bottom Layer w10: v1(412,1671) 412,1936 431,1955 804.96,1955 847,1912.96 847,1875.92 896.41,1826.51 1279.17,1826.51 1292.66,1840 1393.25,1840 1444,1789.25 v1(1444,1752)
GPRS-TXD: Q19.2 U10.9 | length 134.5
  Top Layer w10: U10.9@1348.43,1637.87 Q19.2@1482.97,1637.87
GPRS_3.6V: C3.1 C20.1 C41.1 C42.1 C51.1 C53.1 Q15.3 U10.31 U10.32 | length 2464.4
  Top Layer w30: v1(348,1099) C20.1@348,1157 ; C20.1@354.51,1150.49 C51.1@421,1150.49 C42.1@535,1150.49 630.51,1150.49 651,1130 U10.31@746.07,1130 ; v1(1436,383) 1488,383 1527.24,343.76 Q15.3@1527.24,282 ; Q15.3@1536,279 1554,261 C3.1@1594,261 ; C3.1@1606.6,230 1638.12,198.49 1792.49,198.49 1806,212 C41.1@1806,264
  Bottom Layer w30: v1(151,900) 188.6,900 372.6,716 424,716 760,380 1433,380 v1(1436,383)
GPRS_ON: R31.1 U7.73 | length 3356.7
  Top Layer w10: R31.1@348,1978 373,2003 v1(379,2003) ; v1(3211,1333) 3212.21,1331.79 U7.73@3212.21,1216.79
  Bottom Layer w10: v1(379,2003) 393,1989 819.04,1989 881,1927.04 881,1890 910.49,1860.51 1265.09,1860.51 1278.58,1874 1353.66,1874 ; 1353.66,1876 1355.66,1876 1372.66,1893 1944.04,1893 1967.04,1870 2513.3,1870 2702,1681.3 2702,1680.41 2800.41,1582 2800.58,1582 2912.58,1470 3013.96,1470 3022.96,1461 3104.46,1461 3158.2,1407.26 3191.89,1407.26 3206.31,1392.84 3206.31,1328.94 3210.37,1333 v1(3211,1333)
GPRS_POWER: R41.1 U7.76 | length 2218.1
  Top Layer w10: R41.1@1713,1098 v1(1752,1098) ; U7.76@3271.27,1216.79 3271.27,1100.9 3291.54,1080.63 v1(3297,1080.63)
  Bottom Layer w10: v1(1752,1098) 1731,1119 1731,1322 1825,1416 2774.25,1416 2856.25,1334 2957.63,1334 3048,1243.63 3156.66,1243.63 3176.66,1223.63 3176.66,1133.93 3214.96,1095.63 3282,1095.63 v1(3297,1080.63)
GPRS_RST: R11.1 U7.77 | length 2206.3
  Top Layer w10: v1@1630,1692 R11.1@1672,1692 ; U7.77@3290.95,1216.79 3290.95,1139.68 v1(3304,1126.63)
  Bottom Layer w10: v1(1631,1691) 1631,1593 1723,1501 2809.46,1501 2891.46,1419 2992.84,1419 3001.84,1410 3083.34,1410 3134,1359.34 3134,1316.25 3193.66,1256.59 3193.66,1140.97 3222,1112.63 3290,1112.63 v1(3304,1126.63)
GPRS_WAKEUP: R45.1 U7.69 | length 1722.3
  Top Layer w10: v1(1679,1492) 1701,1470 R45.1@1701,1417 ; v1(3128,1277) 3133.47,1271.53 U7.69@3133.47,1216.79
  Bottom Layer w10: v1(1679,1492) 1687,1484 2802.42,1484 2884.42,1402 2985.8,1402 2994.8,1393 3076.3,1393 3117,1352.3 3117,1288 v1(3128,1277)
"HIC1 TXD INT": C16.1 R4.2 U7.42 | length 211.9
  Top Layer w10: C16.1@2702,1675.14 R4.2@2757.49,1675.14 ; R4.2@2759,1673.63 2788.68,1643.95 U7.42@2903.16,1643.95
HIC1_EXT: EXT.1 P2.3 U7.68 | length 2545.3
  Top Layer w10: EXT.1@1655.51,106.3 v1(1655.51,156.49) ; U7.68@3113.79,1216.79 3113.79,1179.84 3145,1148.63 3145,1002.63 v1(3129,986.63)
  Bottom Layer w10: v1(1655.51,156.49) 1632,180 P2.3@1632,232.99 1632,300 1671,339 1828,339 1934,445 2117.23,445 2155.23,407 2216.96,407 2289.96,480 3099.04,480 3129,509.96 v1(3129,986.63)
HIC1_RXD: R60.1 U7.49 | length 2228.1
  Top Layer w10: R60.1@2003,414 2016,427 v1(2016,537) ; v1(2493,1314) 2493,1342.96 2516,1365.96 2516,1437.04 2585.12,1506.16 U7.49@2903.16,1506.16
  Bottom Layer w10: v1(2016,537) 2014,537 1880.6,670.4 1880.6,1355.56 1907.04,1382 2466,1382 2493,1355 v1(2493,1314)